# Altium PCB SpeakerEngine.PcbDoc (part 2 of 2)
Units mil, origin at the board's own origin, x right, y up, seen from the top; angles counter-clockwise.
Board outline 2955 x 2955 mil, 2 copper layers (Top Layer, Bottom Layer); 97 components, 71 nets, 369 pads, 247 vias.
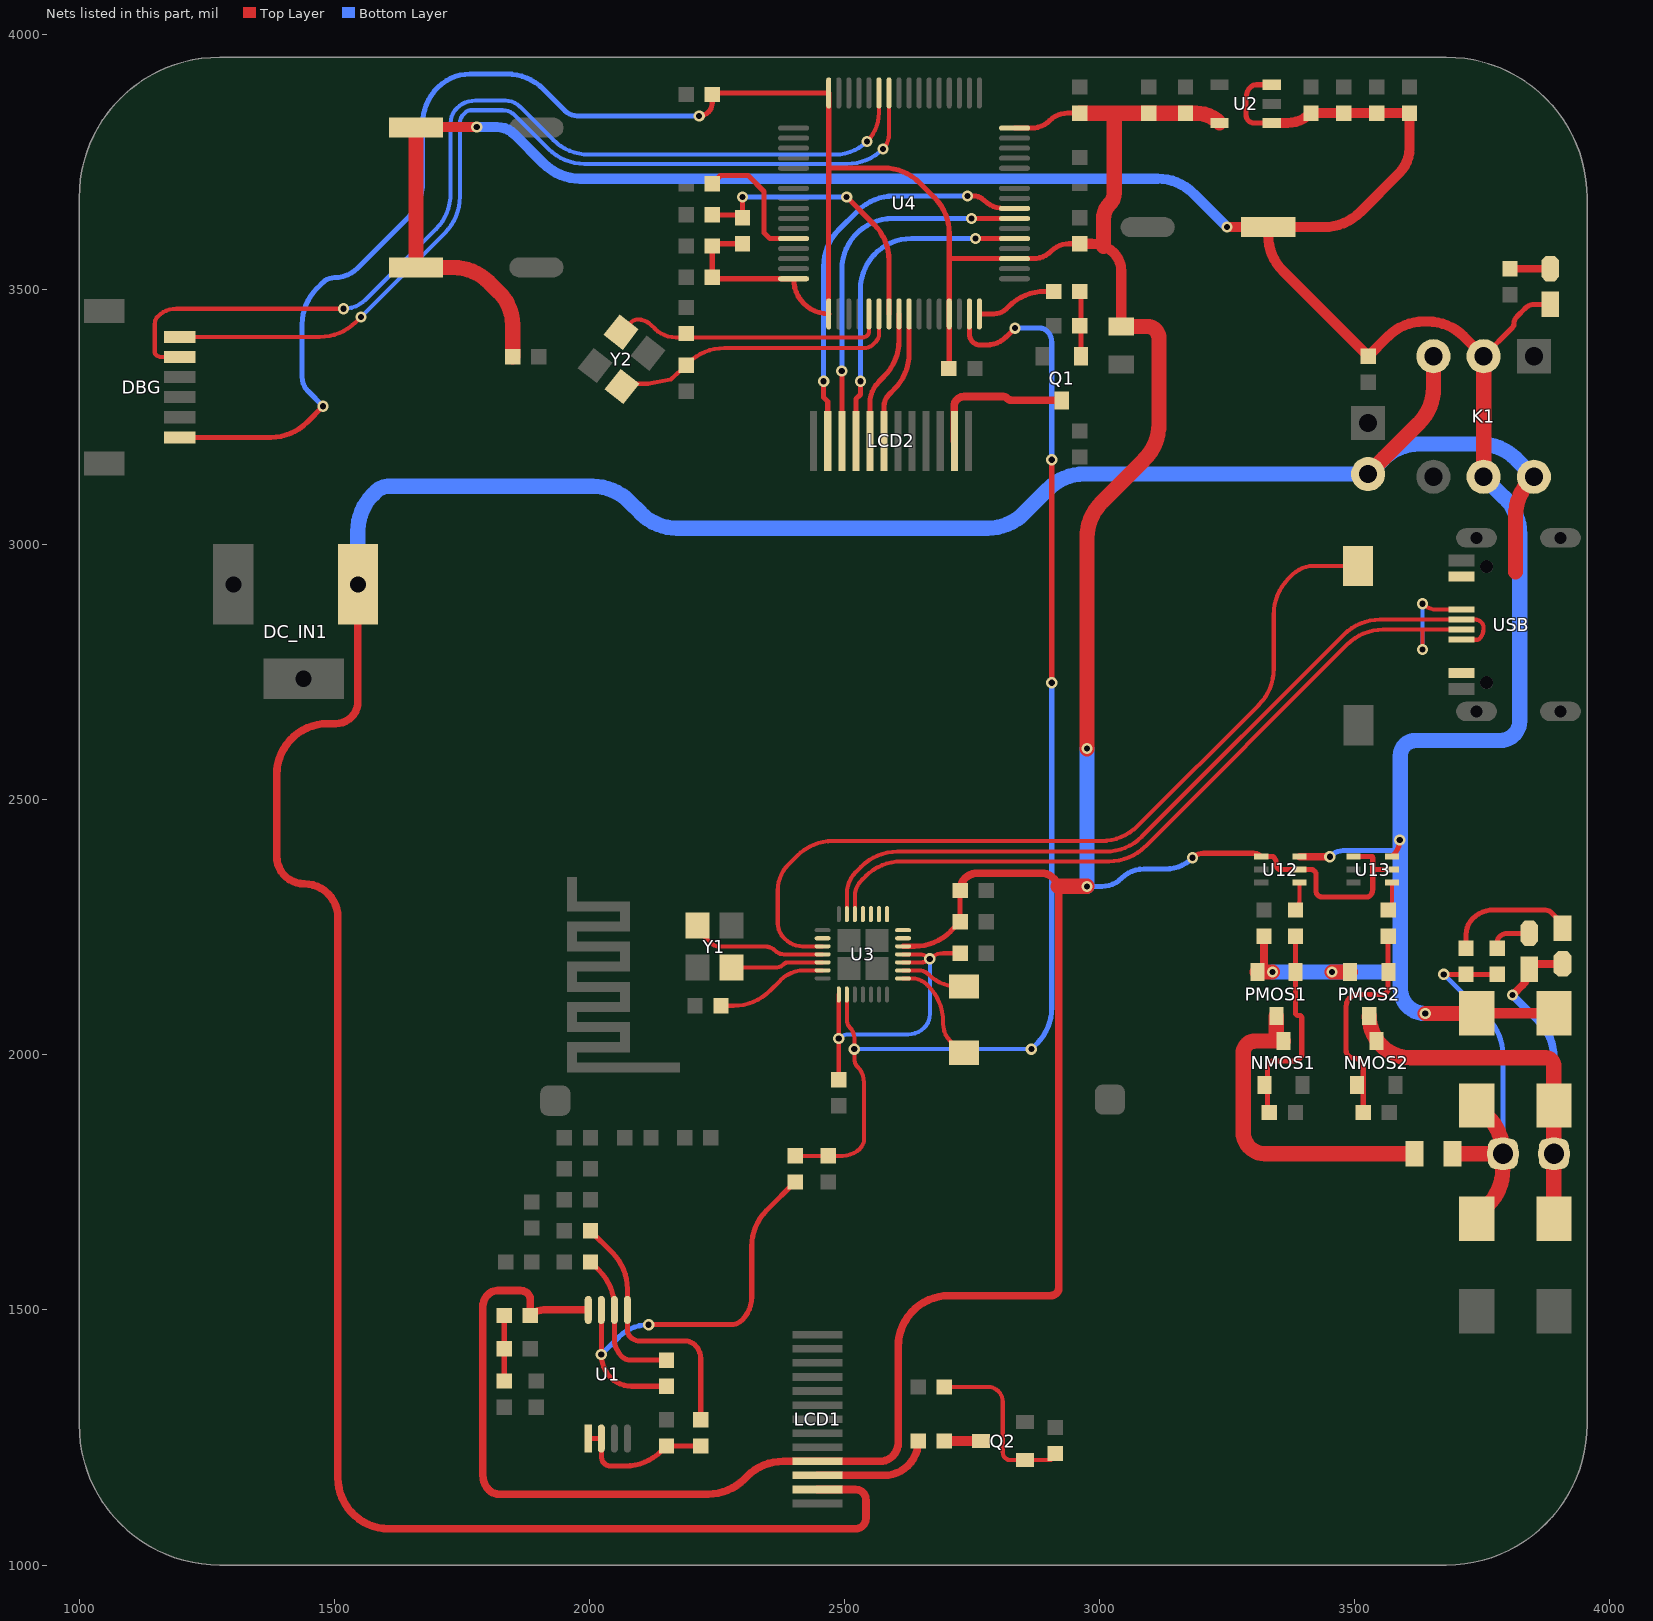
[diagram p2: the nets of this part, all layers, seen from the top]

## Via types
v1: diameter 22, hole 12, Top Layer to Bottom Layer, 133 vias
v2: diameter 30, hole 15, Top Layer to Bottom Layer, 96 vias
v3: diameter 20, hole 12, Top Layer to Bottom Layer, 16 vias
v4: diameter 62.99, hole 39.37, Top Layer to Bottom Layer, 2 vias

## Nets (pads, with @x,y where several pads share a name; then routed paths per layer and width w, separated by ;. In a path a pad name is that pad's centre, name@x,y a point inside that pad or via, vN(x,y) a via of type N, cw(c..) or ccw(c..) an arc to the next point about the centre after c; other vN are vias at no path point) (continued)
NetD2_1: D2.1 D5.2 R5.1 R18.1 R19.1 Speaker2.1 | length 857.5
  Top Layer w10: v1(3674.31,2157.59) R19.1@3718,2157.59 R18.1@3779,2157.59
  Top Layer w30: R5.1@3691.4,1806 v4(3790,1806) ; D5.2@3733,1677.55 3760.71,1705.26 ccw(c3690,1775.97) 3790,1775.97 v4(3790,1806) ; D2.1@3739,1900.45 3760.71,1878.74 cw(c3690,1808.03) 3790,1808.03 v4(3790,1806)
  Bottom Layer w10: v1(3674.31,2157.59) 3760.71,2071.19 cw(c3690,2000.48) 3790,2000.48 v4(3790,1806)
NetDBG_5: DBG.5 U4.43 | length 1938.3
  Top Layer w8: DBG.5@1197,3367.48 1160.91,3367.48 cw(c1160.91,3382.91) 1150,3372 cw(c1154.83,3376.83) 1148,3376.83 1148,3432.51 cw(c1168.49,3432.51) 1154,3447 cw(c1190.21,3410.79) 1190.21,3462 v1(1518,3462) ; v1(2544,3790) ccw(c2487.71,3846.29) 2567.32,3846.29 U4.43@2567.32,3885
  Bottom Layer w8: v1(1518,3462) ccw(c1518,3522.36) 1560.68,3479.68 1698.71,3617.71 ccw(c1628,3688.42) 1728,3688.42 1728,3826.03 cw(c1768.97,3826.03) 1740,3855 cw(c1776.21,3818.79) 1776.21,3870 1835.2,3870 cw(c1835.2,3829.44) 1863.88,3858.12 1928.71,3793.29 ccw(c1999.42,3864) 1999.42,3764 2481.23,3764 ccw(c2481.23,3852.77) v1(2544,3790)
NetDBG_6: DBG.6 U4.42 | length 1825.2
  Top Layer w8: DBG.6@1197,3406.85 1471.43,3406.85 ccw(c1471.43,3506.85) 1542.14,3436.14 v1(1552,3446) ; v1(2575,3775) ccw(c2546.03,3803.97) 2587,3803.97 U4.42@2587,3885
  Bottom Layer w8: v1(1552,3446) 1716.71,3610.71 ccw(c1646,3681.42) 1746,3681.42 1746,3825.93 cw(c1770.31,3825.93) 1753.11,3843.11 1757,3847 cw(c1766.66,3837.34) 1766.66,3851 1829.86,3851 cw(c1829.86,3816.86) 1854,3841 1919.71,3775.29 ccw(c1990.42,3846) 1990.42,3746 2504.99,3746 ccw(c2504.99,3845.01) v1(2575,3775)
NetLCD1_11: LCD1.11 R22.2 | length 235.9
  Top Layer w15: LCD1.11@2447,1175.65 2577.06,1175.65 ccw(c2577.06,1243) R22.2@2644.41,1243
NetLCD2_2: LCD2.2 Q1.3 | length 291.6
  Top Layer w15: LCD2.2@2715,3203 2715,3271.93 cw(c2732.07,3271.93) 2720,3284 cw(c2734.49,3269.51) 2734.49,3290 2810.76,3290 cw(c2810.76,3279.76) 2818,3287 ccw(c2829.14,3298.14) 2829.14,3282.39 Q1.3@2925.6,3282.39
NetLCD2_7: LCD2.7 U4.9 | length 234.9
  Top Layer w10: LCD2.7@2577.2,3203 2577.2,3270.35 cw(c2610.65,3270.35) 2587,3294 2597.08,3304.08 ccw(c2526.37,3374.79) 2626.37,3374.79 U4.9@2626.37,3423.31
NetLCD2_8: LCD2.8 U4.8 | length 265.7
  Top Layer w10: LCD2.8@2549.65,3203 2549.65,3276.59 cw(c2610.14,3276.59) 2567.36,3319.36 2577.4,3329.4 ccw(c2506.69,3400.11) 2606.69,3400.11 U4.8@2606.69,3451.96
NetLCD2_9: LCD2.9 U4.21 | length 659.4
  Top Layer w10: LCD2.9@2522.09,3203 2522.09,3285.09 2531,3294 v1(2531,3320) ; v1(2756.58,3599.58) U4.21@2833.05,3599.58
  Bottom Layer w10: v1(2531,3320) 2531,3499.58 cw(c2631,3499.58) 2631,3599.58 v1(2756.58,3599.58)
NetLCD2_10: LCD2.10 U4.23 | length 731.6
  Top Layer w10: LCD2.10@2494.53,3203 v1(2494.53,3340) ; v1(2748.79,3638.95) U4.23@2833.05,3638.95
  Bottom Layer w10: v1(2494.53,3340) 2494.53,3538.95 cw(c2594.53,3538.95) 2594.53,3638.95 v1(2748.79,3638.95)
NetLCD2_11: LCD2.11 U4.24 | length 799
  Top Layer w10: v1(2459,3320) 2459,3288 2466.97,3280.03 LCD2.11@2466.97,3203 ; v1(2741,3683) 2753,3683 cw(c2753,3654.03) 2773.47,3674.53 ; 2773.51,3674.49 ccw(c2811.82,3712.84) 2811.82,3658.64 U4.24@2833.05,3658.64
  Bottom Layer w10: v1(2459,3320) 2459,3545.58 cw(c2559,3545.58) 2488.29,3616.29 2525.71,3653.71 cw(c2596.42,3583) 2596.42,3683 v1(2741,3683)
NetLED1_2: LED1.2 R17.1 | length 79
  Top Layer w15: R17.1@3804,3540.59 LED1.2@3883.02,3540.59
NetLED2_2: LED2.2 R18.2 | length 83.9
  Top Layer w10: R18.2@3779,2208.77 3779,2219.94 cw(c3796.06,2219.94) 3784,2232 cw(c3798.47,2217.53) 3798.47,2238 LED2.2@3841.74,2238
NetLED3_1: LED3.1 R19.2 | length 260.6
  Top Layer w10: R19.2@3718,2208.77 3718,2235.62 cw(c3762.38,2235.62) 3731,2267 cw(c3772.04,2225.96) 3772.04,2284 3870.1,2284 cw(c3870.1,2260.1) 3887,2277 3901.07,2262.93 cw(c3886.13,2248) LED3.1@3907.26,2248
NetNMOS1_1: NMOS1.1 PMOS1.1 R2.1 R12.2 | length 411.1
  Top Layer w10: R2.1@3332.41,1887 cw(c3332.41,1890.4) 3329,1890.4 3329,1976 cw(c3341,1976) 3341,1988 3382,1988 ccw(c3382,2002) 3396,2002 3396,2072 ccw(c3391,2072) 3391,2077 3389,2077 cw(c3389,2082.37) 3383.63,2082.37 PMOS1.1@3383.63,2162.31 R12.2@3383.63,2232.41
NetNMOS2_1: NMOS2.1 PMOS2.1 R3.1 R13.2 | length 432.1
  Top Layer w10: R3.1@3516.41,1887 3516.41,1974.59 ccw(c3497,1974.59) 3497,1994 cw(c3497,2008) 3483,2008 3483,2095 cw(c3506,2095) 3506,2118 3553,2118 ccw(c3553,2130) 3565,2130 3565,2232.41 R13.2@3565.63,2232.41
NetQ1_1: Q1.1 R6.1 R7.2 | length 127.5
  Top Layer w10: R7.2@2961,3496 cw(c2956.18,3491.18) 2963,3491.18 Q1.1@2963,3369
NetQ2_1: Q2.1 R23.2 R24.1 | length 349.1
  Top Layer w8: R23.2@2695.59,1349 2781,1349 cw(c2781,1320) 2810,1320 2810,1221 ccw(c2825.4,1221) 2825.4,1205.6 Q2.1@2853.61,1205.6 2900.2,1205.6 ccw(c2900.2,1218.41) R24.1@2913,1218.41
NetQ2_3: Q2.3 R22.1 | length 71.4
  Top Layer w20: R22.1@2695.59,1243 Q2.3@2767,1243
NetR1_2: R1.2 R27.2 R28.1 | length 128.4
  Top Layer w10: R28.1@1833,1360.59 R27.2@1833,1489
NetR7_1: R7.1 U4.16 | length 158.1
  Top Layer w10: U4.16@2764.17,3451.96 2792.76,3451.96 ccw(c2792.76,3486.24) 2817,3462 2821.71,3466.71 cw(c2892.42,3396) 2892.42,3496 R7.1@2909.82,3496
NetR11_2: R11.2 U4.60 | length 264.6
  Top Layer w10: R11.2@2240.59,3707 2256.59,3723 2311,3723 2342,3692 2342,3611 2353.42,3599.58 U4.60@2400.01,3599.58
NetR12_1: R12.1 U12.4 | length 55.9
  Top Layer w8: R12.1@3383.63,2283.59 ccw(c3364.87,2302.36) 3391.4,2302.36 U12.4@3391.4,2337.41
NetR13_1: R13.1 U13.4 | length 55.6
  Top Layer w8: R13.1@3565.63,2283.59 ccw(c3549.28,2299.94) 3572.4,2299.94 U13.4@3572.4,2337.41
NetR14_2: R14.2 R20.2 U1.7 | length 857.2
  Top Layer w10: U1.7@2023.2,1499.98 v1(2023.2,1412.38) ccw(c2087.38,1412.38) 2042,1367 ccw(c2082.05,1407.05) 2082.05,1350.41 R20.2@2151,1350.41 ; v1(2116,1471) 2277.27,1471 ccw(c2277.27,1501.73) 2299,1480 ccw(c2253.13,1525.87) 2318,1525.87 2318,1624.4 cw(c2418,1624.4) 2347.29,1695.11 R14.2@2403,1750.82
  Bottom Layer w10: v1(2023.2,1412.38) 2057.67,1446.84 cw(c2116,1388.5) v1(2116,1471)
NetR16_2: R16.2 R25.2 U1.5 | length 515.7
  Top Layer w10: R25.2@2002,1654.85 2045.1,1611.76 cw(c1974.39,1541.05) 2074.39,1541.05 U1.5@2074.39,1499.98 2074.39,1460.55 ccw(c2093.55,1460.55) 2080,1447 ccw(c2099.31,1466.31) 2099.31,1439 2187.69,1439 cw(c2187.69,1411.69) 2207,1431 cw(c2180.44,1404.44) 2218,1404.44 R16.2@2218,1284.59
NetR20_1: R20.1 R21.2 U1.6 | length 293.8
  Top Layer w10: R21.2@2002,1594 2019.51,1576.49 cw(c1948.8,1505.78) 2048.8,1505.78 U1.6@2048.8,1499.98 2048.8,1443.29 ccw(c2097.29,1443.29) 2063,1409 ccw(c2080.88,1426.88) 2080.88,1401.59 R20.1@2151,1401.59
NRST: C25.2 R10.1 U4.7 | length 565.2
  Top Layer w10: C25.2@2240.59,3646 2294.59,3646 R10.1@2300,3640.59 v1(2300,3681) ; v1(2504.09,3681) 2557.71,3627.38 cw(c2487,3556.66) 2587,3556.66 U4.7@2587,3451.96
  Bottom Layer w10: v1(2300,3681) v1(2504.09,3681)
PA4: C10.2 R14.1 U3.23 U4.15 | length 2429.8
  Top Layer w8: R14.1@2403,1802 C10.2@2468,1802 2496.2,1802 ccw(c2496.2,1849.8) 2530,1816 ccw(c2510.69,1835.31) 2538,1835.31 2538,1945.62 ccw(c2493.62,1945.62) 2525,1977 cw(c2539.49,1991.49) 2519,1991.49 v1(2519,2011) 2519,2032.27 ccw(c2488.27,2032.27) 2510,2054 cw(c2523.67,2067.67) 2504.34,2067.67 U3.23@2504.34,2118.09
  Top Layer w10: U4.15@2744.48,3451.96 2744.48,3412.74 ccw(c2766.74,3412.74) 2751,3397 ccw(c2765.49,3411.49) 2765.49,3391 2778,3391 ccw(c2778,3446.53) 2817.26,3407.26 v1(2834,3424) ; v1(2906,2729.04) v1(2906,3166)
  Bottom Layer w8: v1(2519,2011) v1(2866,2011)
  Bottom Layer w10: v1(2834,3424) 2882.51,3424 cw(c2882.51,3403.51) 2897,3418 cw(c2875.27,3396.27) 2906,3396.27 v1(2906,3166) ; v1(2866,2011) 2876.71,2021.71 ccw(c2806,2092.42) 2906,2092.42 v1(2906,2729.04)
PA8: U3.6
PA9: U3.7
PA10: U3.2 Y3.1 | length 127.8
  Top Layer w8: U3.2@2614.57,2165.34 2644.87,2165.34 cw(c2644.87,2136.87) 2665,2157 ccw(c2720.62,2212.62) 2720.62,2133.96 Y3.1@2734,2133.96
PA11: U3.1 Y3.2 | length 209.6
  Top Layer w8: U3.1@2614.57,2149.59 2631.61,2149.59 cw(c2631.61,2106.61) 2662,2137 2663.71,2135.29 cw(c2593,2064.58) 2693,2064.58 2693,2060.8 ccw(c2740.8,2060.8) 2707,2027 2729.96,2004.04 Y3.2@2734,2004.04
PB10: U3.13 USB.5 USB.7 | length 1577.7
  Top Layer w8: U3.13@2504.34,2275.57 2504.34,2315.36 cw(c2564.64,2315.36) 2522,2358 2532.71,2368.71 cw(c2603.42,2298) 2603.42,2398 3011.58,2398 ccw(c3011.58,2498) 3082.29,2427.29 3478.47,2823.47 cw(c3549.19,2752.76) 3549.19,2852.76 USB.7@3709.1,2852.76 3736.91,2852.76 cw(c3736.91,2839.91) 3745.99,2849.01 3748.93,2846.07 cw(c3741.51,2838.66) 3752,2838.66 3752,2834.31 cw(c3724.69,2834.31) 3744,2815 cw(c3740.12,2818.88) 3740.12,2813.39 USB.5@3709.1,2813.39
PB11: U3.12 USB.6 USB.8 | length 1645.5
  Top Layer w8: U3.12@2520.09,2275.57 2520.09,2310.82 cw(c2564.18,2310.82) 2533,2342 2540.71,2349.71 cw(c2611.42,2279) 2611.42,2379 3018.58,2379 ccw(c3018.58,2479) 3089.29,2408.29 3484.79,2803.79 cw(c3555.5,2733.08) 3555.5,2833.08 3632.3,2833.08 ; v1(3632.3,2794) 3632.3,2833.08 ; v1(3632.3,2884) ccw(c3660.19,2911.89) 3660.19,2872.45 USB.8@3709.1,2872.45 ; USB.6@3709.1,2833.08 3632.3,2833.08
  Bottom Layer w8: v1(3632.3,2794) v1(3632.3,2884)
PB12: U3.11
PB13: U3.10
PB14: U3.9
PB15: U3.8
PB22: KEY1.2 U3.17 | length 1682.9
  Top Layer w8: U3.17@2457.09,2212.58 2417.81,2212.58 cw(c2417.81,2261.81) 2383,2227 2381.02,2228.98 cw(c2410.04,2258) 2369,2258 2369,2322.3 cw(c2440.7,2322.3) 2390,2373 2406.71,2389.71 cw(c2477.42,2319) 2477.42,2419 3003.58,2419 ccw(c3003.58,2519) 3074.29,2448.29 3311.71,2685.71 ccw(c3241,2756.42) 3341,2756.42 3341,2862.58 cw(c3441,2862.58) 3370.29,2933.29 3378,2941 cw(c3419.04,2899.96) 3419.04,2958 KEY1.2@3506,2958
PB23: U3.16
PH0: C24.1 U4.5 Y2.1 | length 546.5
  Top Layer w8: Y2.1@2062.08,3416.18 2081.18,3435.27 ; 2081.18,3435.28 cw(c2095,3421.45) 2095,3441 cw(c2095,3404.79) 2120.61,3430.39 2128,3423 ccw(c2169.04,3464.04) 2169.04,3406 2535.34,3406 ccw(c2535.34,3419.66) 2545,3410 ccw(c2538.65,3416.35) 2547.63,3416.35 U4.5@2547.63,3451.96
PH1: C23.1 U4.6 Y2.3 | length 580.5
  Top Layer w8: Y2.3@2063.92,3309.82 cw(c2076.42,3297.32) 2076.42,3315 2111.39,3315 ccw(c2111.39,3415) 2114.76,3315.06 2159.01,3323 2179.71,3341.98 ccw(c2111.39,3415) 2182.13,3344.32 C23.1@2189.41,3351.59 2193.52,3355.71 cw(c2264.23,3285) 2264.23,3385 2538,3385 ccw(c2538,3411.56) 2556.78,3392.78 2561,3397 ccw(c2545.75,3412.25) 2567.32,3412.25 U4.6@2567.32,3451.96
Speaker1: NMOS1.3 PMOS1.3 R5.2 | length 663.4
  Top Layer w30: PMOS1.3@3346.23,2075.69 3346.23,2040.77 ccw(c3360,2040.77) 3360,2027 3305,2027 ccw(c3305,2003) 3281,2003 3281,1849 ccw(c3324,1849) 3324,1806 R5.2@3616.6,1806
Speaker2: D1.1 D6.2 LED2.1 LED3.2 NMOS2.3 PMOS2.3 Speaker1.1 | length 1175.4
  Top Layer w15: v1(3809,2117) 3828.84,2136.84 ccw(c3797.68,2168) LED2.1@3841.74,2168 ; LED2.1@3851.74,2178 LED3.2@3907.26,2178
  Top Layer w30: PMOS2.3@3528.23,2075.69 ccw(c3609.92,2075.69) 3609.92,1994 3874,1994 cw(c3874,1978) 3890,1978 D1.1@3890,1900.45 v4(3890,1806) D6.2@3890,1678.55
  Bottom Layer w15: v1(3809,2117) 3860.71,2065.29 cw(c3790,1994.58) 3890,1994.58 v4(3890,1806)
USB: DC_IN1.1 J1.2 K1.3 K1.6 LCD1.12 USB.2 USB.11 | length 6207.7
  Top Layer w15: DC_IN1.1@1546.09,2922 1546.09,2692.09 cw(c1503,2692.09) 1503,2649 1487,2649 ccw(c1487,2549) 1387,2549 1387,2389 ccw(c1441,2389) 1441,2335 cw(c1441,2269) 1507,2269 1507,1171 ccw(c1607,1171) 1607,1071 2521,1071 ccw(c2521,1092) 2542,1092 2542,1127 ccw(c2520.91,1127) 2520.91,1148.09 LCD1.12@2447,1148.09
  Top Layer w30: J1.2@3526,3138 3624.71,3236.71 ccw(c3554,3307.42) 3654,3307.42 K1.3@3654,3369 ; 3815,2946 3815,3055.51 cw(c3915,3055.51) 3844.29,3126.22 K1.6@3850.85,3132.78
  Bottom Layer w30: DC_IN1.1@1546.09,2922 1546.09,3026.67 cw(c1646.09,3026.67) 1575.38,3097.38 1583,3105 cw(c1604.73,3083.27) 1604.73,3114 2006.58,3114 cw(c2006.58,3014) 2077.29,3084.71 2100.71,3061.29 ccw(c2171.42,3132) 2171.42,3032 2780.58,3032 ccw(c2780.58,3132) 2851.29,3061.29 2898.71,3108.71 cw(c2969.42,3038) 2969.42,3138 J1.2@3526,3138 3555.71,3167.71 cw(c3626.42,3097) 3626.42,3197 3745.21,3197 cw(c3745.21,3097) 3783.01,3189.58 cw(c3745.21,3097) 3815.92,3167.71 K1.6@3850.85,3132.78
VCC3.3: C7.1 C17.1 C21.1 C26.1 C27.1 C28.1 C29.1 C30.1 C31.1 C33.1 DBG.1 LCD1.10 R4.1 R10.2 R27.1 U1.8 U2.5 U3.5 U4.1 U4.13 U4.19 U4.32 U4.48 U4.64 U12.1 U12.5 U13.1 U13.5 | length 9749.4
  Top Layer w10: DBG.1@1197,3210 1375.58,3210 ccw(c1375.58,3310) 1446.29,3239.29 v1(1478,3271) ; v1(2215,3840) ccw(c2215,3865.59) 2240.59,3865.59 C26.1@2240.59,3882 2243.58,3885 U4.48@2468.89,3885 2468.89,3738 ; R10.2@2300,3589.41 2245,3589.41 C27.1@2240.59,3585 C28.1@2240.59,3524 2243.75,3520.84 U4.64@2400.01,3520.84 ccw(c2468.89,3520.84) U4.1@2468.65,3451.96 ; U4.1@2468.89,3451.96 cw(c2468.89,3520.84) U4.1@2468.65,3451.96 ; U3.5@2614.57,2212.58 2637.07,2212.58 ccw(c2637.07,2312.58) 2707.78,2241.87 C21.1@2726.41,2260.5 C33.1@2726.41,2322 ; C29.1@2704.41,3345 ccw(c2702.71,3346.7) 2705.11,3346.7 U4.13@2705.11,3451.96 2705.11,3561 ; U4.32@2833.05,3816.12 2866.41,3816.12 ccw(c2866.41,3866.12) 2901.76,3830.76 ; 2901.79,3830.79 cw(c2937.12,3795.41) 2937.12,3845.41 C31.1@2961,3845.41 ; C30.1@2961,3589.41 2940.05,3589.41 ccw(c2940.05,3539.57) 2904.81,3574.81 cw(c2869.57,3610.05) 2869.57,3560.21 U4.19@2833.05,3560.21 2705.9,3560.21 2705.11,3561 ; v1(3182,2386) cw(c3203.73,2364.27) 3203.73,2395 3301.12,2395 cw(c3301.12,2373.12) U12.1@3316.6,2388.59 3337.16,2388.59 cw(c3337.16,2383.16) 3341,2387 3341.05,2386.95 cw(c3329.1,2375) 3346,2375 3346,2372.24 ccw(c3356.24,2372.24) 3349,2365 ccw(c3353.83,2369.83) 3353.83,2363 U12.5@3391.4,2363 3413.76,2363 cw(c3413.76,2352.76) 3421,2360 cw(c3413.76,2352.76) 3424,2352.76 3424,2320.24 ccw(c3434.24,2320.24) 3427,2313 ccw(c3436.66,2322.66) 3436.66,2309 3522.76,2309 ccw(c3522.76,2319.24) 3530,2312 ccw(c3517.93,2324.07) 3535,2324.07 3535,2363 ; U13.1@3497.6,2388.59 3533.58,2388.59 cw(c3530.14,2385.15) 3535,2385.15 3535,2363 ; U13.5@3572.4,2363 3535,2363 ; U4.1@2468.65,3451.96 2468.65,3590.35 2468.65,3708.65 2468.89,3708.89 2468.89,3738 ; 2468.89,3738 2576.58,3738 cw(c2576.58,3638) 2647.29,3708.71 2675.82,3680.18 cw(c2605.11,3609.47) 2705.11,3609.47 2705.11,3561
  Top Layer w15: U1.8@1997.61,1499.98 1910.7,1499.98 ccw(c1910.7,1462.48) R27.1@1884.18,1489 1884.18,1519.5 ccw(c1866.5,1519.5) 1879,1532 ccw(c1864.51,1517.51) 1864.51,1538 1820.31,1538 ccw(c1820.31,1510.69) 1801,1530 ccw(c1825.14,1505.86) 1791,1505.86 1791,1175.97 ccw(c1831.97,1175.97) 1803,1147 ccw(c1822.31,1166.31) 1822.31,1139 2232.58,1139 ccw(c2232.58,1239) 2303.29,1168.29 2308.92,1173.92 cw(c2379.63,1103.21) 2379.63,1203.21 LCD1.10@2447,1203.21 2569.21,1203.21 ccw(c2569.21,1239) 2605,1239 2605,1428 cw(c2705,1428) 2705,1528 2904,1528 ccw(c2904,1544) 2920,1544 2920,2321 ccw(c2885,2321) 2918.77,2330.21 ccw(c2885,2321) 2885,2356 2760.41,2356 ccw(c2760.41,2322) C33.1@2726.41,2322
  Top Layer w20: C30.1@2961,3589.41 2983.56,3589.41 cw(c2983.56,3526.56) 3007.31,3584.75 cw(c2983.56,3526.56) 3028,3571 cw(c2994.21,3537.21) 3042,3537.21 R4.1@3042,3427.4
  Top Layer w30: 2918.77,2330.21 2918.98,2330 v1(2975,2330) ; C31.1@2961,3845.41 3028.5,3845.41 ; v1(2975,2600) 2975,3012.58 cw(c3075,3012.58) 3004.29,3083.29 3086.71,3165.71 ccw(c3016,3236.42) 3116,3236.42 3116,3404.1 ccw(c3092.1,3404.1) 3109,3421 ccw(c3093.54,3405.54) 3093.54,3427.4 R4.1@3042,3427.4 ; 3007.31,3584.75 3007.31,3637.35 cw(c3050.65,3637.35) 3020,3668 ccw(c2999.47,3688.53) 3028.5,3688.53 3028.5,3845.41 ; U2.5@3234.82,3826.22 ccw(c3188.5,3779.9) 3188.5,3845.41 C7.1@3168,3845.41 C17.1@3096,3845.41 3028.5,3845.41
  Bottom Layer w10: v1(1478,3271) 1448.31,3300.69 cw(c1475.63,3328) 1437,3328 1437,3431.58 cw(c1537,3431.58) 1466.29,3502.29 1477.81,3513.81 cw(c1500,3491.62) 1500,3523 ccw(c1500,3588.18) 1546.09,3542.09 1643.71,3639.71 ccw(c1573,3710.42) 1673,3710.42 1673,3824.58 cw(c1773,3824.58) 1702.29,3895.29 1703,3896 cw(c1765.77,3833.23) 1765.77,3922 1838.58,3922 cw(c1838.58,3822) 1909.29,3892.71 1952,3850 ccw(c1976.14,3874.14) 1976.14,3840 v1(2215,3840) ; v1(2975,2330) 3004.37,2330 ccw(c3004.37,2384.63) 3043,2346 cw(c3086.46,2302.54) 3086.46,2364 3128.89,2364 ccw(c3128.89,2439.11) v1(3182,2386)
  Bottom Layer w30: v1(2975,2330) v1(2975,2600)
VCCREF: C2.2 R16.1 U1.1 U1.2 | length 278.5
  Top Layer w10: U1.1@1997.61,1248.02 U1.2@2023.2,1248.02 2023.2,1212.99 ccw(c2042.99,1212.99) 2029,1199 ccw(c2041.07,1211.07) 2041.07,1194 2070.17,1194 ccw(c2070.17,1294) 2140.88,1223.29 C2.2@2151,1233.41 R16.1@2218,1233.41
VDCIA: C18.1 C22.1 U3.3 U3.4 U3.22 | length 649.3
  Top Layer w8: C22.1@2488.59,1951.18 v1(2488.59,2032) U3.22@2488.59,2118.09 ; U3.3@2614.57,2181.09 2650.31,2181.09 ccw(c2650.31,2204.69) v1(2667,2188) ; U3.4@2614.57,2196.83 2645.67,2196.83 cw(c2645.67,2166.67) v1(2667,2188) ; C18.1@2726.41,2199 2693.55,2199 ccw(c2693.55,2161.45) v1(2667,2188)
  Bottom Layer w8: v1(2488.59,2032) cw(c2507.9,2012.69) 2507.9,2040 2624.62,2040 ccw(c2624.62,2084.38) 2656,2053 ccw(c2629.44,2079.56) 2667,2079.56 v1(2667,2188)
VINTA: C20.1 U3.20 | length 220.8
  Top Layer w8: C20.1@2257.83,2096 2282.58,2096 ccw(c2282.58,2196) 2353.29,2125.29 2374,2146 cw(c2420.69,2099.31) 2420.69,2165.34 U3.20@2457.09,2165.34
VUSB: C3.2 C4.2 C5.2 C6.1 C8.1 C11.2 C12.1 C13.1 C15.1 C16.1 D1.2 D2.2 K1.2 K1.5 LED1.1 PMOS1.2 PMOS2.2 U2.1 U2.3 U12.6 U13.6 | length 6398.3
  Top Layer w10: U2.1@3337.18,3826.22 3302.54,3826.22 cw(c3302.54,3842.54) 3291,3831 cw(c3300.66,3840.66) 3287,3840.66 3287,3876.69 cw(c3314.31,3876.69) 3295,3896 cw(c3307.13,3883.87) 3307.13,3901.02 U2.3@3337.18,3901.02 ; U12.6@3391.4,2388.59 ccw(c3392.54,2389.73) U12.6@3392.54,2388.12 ; U13.6@3572.4,2388.59 3576.11,2392.3 ccw(c3547.41,2421) v1(3588,2421) ; K1.2@3752.43,3369 3808.88,3425.45 ccw(c3801.32,3433) 3812,3433 cw(c3831.31,3433) 3817.66,3446.66 3834,3463 cw(c3852.33,3444.67) 3852.33,3470.59 LED1.1@3883.02,3470.59
  Top Layer w15: PMOS1.2@3308.83,2162.31 ccw(c3308.83,2175.48) 3322,2175.48 C4.2@3322,2227.41 ; C4.2@3319.29,2230.12 C4.2@3322,2227.41 ; C4.2@3322,2232.41 C4.2@3322,2227.41 ; U12.6@3392.54,2388.12 v1(3450.99,2388.12)
  Top Layer w20: C13.1@1659.89,3817 cw(c1662.3,3814.59) 1662.3,3818 v1(1779,3818) ; v1(3249.66,3622) C6.1@3330.11,3622 ; U2.1@3337.18,3826.22 3367.69,3826.22 ccw(c3367.69,3891.72) C16.1@3414,3845.41 C15.1@3478.34,3845.41 C8.1@3542.67,3845.41 C3.2@3607,3845.41 3607,3776.28 cw(c3538.72,3776.28) 3587,3728 3510.29,3651.29 cw(c3439.58,3722) 3439.58,3622 C6.1@3330.11,3622 ; D2.2@3739,2081.55 D1.2@3890,2081.55 ; K1.2@3752.43,3369 3713.71,3407.71 ccw(c3643,3337) 3643,3437 3635.42,3437 ccw(c3635.42,3337) 3564.71,3407.71 C5.2@3526,3369 3359.4,3535.6 cw(c3430.11,3606.31) 3330.11,3606.31 C6.1@3330.11,3622
  Top Layer w30: C13.1@1659.89,3817 C12.1@1659.89,3543 1732.58,3543 cw(c1732.58,3443) 1803.29,3513.71 1823,3494 cw(c1759.23,3430.23) 1849.41,3430.23 C11.2@1849.41,3368 ; PMOS1.2@3308.83,2162.31 v1(3338.44,2162.31) ; v1(3455.31,2162.31) PMOS2.2@3490.83,2162.31 ; v1(3638,2081) 3739,2081 D2.2@3739,2081.55 ; K1.5@3751.47,3130.47 ccw(c3749.16,3132.78) K1.5@3752.43,3132.78 K1.2@3752.43,3369
  Bottom Layer w10: v1(3450.99,2388.12) 3452.66,2389.79 cw(c3477.31,2365.14) 3477.31,2400 3589,2400
  Bottom Layer w20: v1(1779,3818) 1818.93,3818 cw(c1818.93,3769.54) 1853.19,3803.81 1910.71,3746.29 ccw(c1981.42,3817) 1981.42,3717 2044,3717 3113.24,3717 cw(c3113.24,3617) 3183.95,3687.71 v1(3249.66,3622)
  Bottom Layer w30: v1(3338.44,2162.31) v1(3455.31,2162.31) 3589,2162.31 ; v1(3638,2081) cw(c3638,2130) 3589,2130 3589,2162.31 ; K1.5@3752.43,3132.78 3793.71,3091.49 cw(c3723,3020.78) 3823,3020.78 3823,2654 cw(c3785,2654) 3785,2616 3619,2616 ccw(c3619,2586) 3589,2586 3589,2400 3589,2162.31
X32MI: U3.19 Y1.3 | length 181.4
  Top Layer w8: Y1.3@2278.46,2170.66 2364.7,2170.66 ccw(c2364.7,2192.3) 2380,2177 cw(c2389.86,2167.14) 2389.86,2181.09 U3.19@2457.09,2181.09
X32MO: U3.18 Y1.1 | length 269.5
  Top Layer w8: Y1.1@2211.54,2253.34 ccw(c2230.54,2253.34) 2217.1,2239.9 2238,2219 ccw(c2254.9,2235.9) 2254.9,2212 2344.69,2212 cw(c2344.69,2184.69) 2364,2204 ccw(c2381.3,2221.3) 2381.3,2196.83 U3.18@2457.09,2196.83
pads on no net: ANT.7 ANT.8 ANT.9 ANT.10 ANT.11 ANT.12 ANT.13 ANT.14 ANT.15 ANT.16 ANT.17 ANT.18 ANT.19 ANT.20 ANT.21 ANT.22 ANT.23 DBG.0 K1.1 K1.4 LCD1.1 LCD1.2 LCD1.9 U2.4 U4.2 U4.3 U4.4 U4.10 U4.11 U4.14 U4.17 U4.20 U4.22 U4.25 U4.26 U4.27 U4.28 U4.29 U4.33 U4.34 U4.35 U4.36 U4.39 U4.40 U4.41 U4.44 U4.45 U4.50 U4.51 U4.52 U4.53 U4.54 U4.55 U4.56 U4.57 U4.58 U4.59 U4.61 U4.62 USB. USB.SH1 USB.SH2 USB.SH3 USB.SH4
copper on no net:
  other v2: 1742,1977.59 1742,2015.18 1742,2052.78 1742,2090.37 1742,2127.96 1742,2165.55 1742,2203.15 1742,2240.74 1063.5,2407 1099.21,2407 1134.93,2407 1170.64,2407 1206.36,2407 1242.07,2407 1277.79,2407 1313.5,2407 3641.5,2407 3677.21,2407 3712.93,2407 3748.64,2407 3784.36,2407 3820.07,2407 3855.78,2407 3891.5,2407 1063.5,2548 1099.21,2548 1134.93,2548 1170.64,2548 1206.36,2548 1242.07,2548 1277.79,2548 1313.5,2548 3641.5,2548 3677.21,2548 3712.93,2548 3748.64,2548 3784.36,2548 3820.07,2548 3855.78,2548 3891.5,2548 1742,2714.26 1883,2714.26 3072,2714.26 3213,2714.26 1742,2751.85 1883,2751.85 3072,2751.85 3213,2751.85 1742,2789.44 1883,2789.44 3072,2789.44 3213,2789.44 1742,2827.04 1883,2827.04 3072,2827.04 3213,2827.04 1742,2864.63 1883,2864.63 3072,2864.63 3213,2864.63 1742,2902.22 1883,2902.22 3072,2902.22 3213,2902.22 1742,2939.81 1883,2939.81 3072,2939.81 3213,2939.81 1742,2977.41 1883,2977.41 3072,2977.41 3213,2977.41

## Polygon pours and split planes (outlines as drawn)
GND on Top Layer "NONET_L-01_P-001" (solid, remove dead copper, pour order 3): 2258,1871 1784,1871 ccw(c1784,1837) 1750,1837 1750,1222 ccw(c1823,1222) 1823,1149 2248,1149 ccw(c2248,1193) 2292,1193 2292,1837 ccw(c2258,1837)
USB on Top Layer "Top Layer-No Net" (solid, remove dead copper, pour order 0): 3684,2733 3739,2733 3830,2824 3830,2972 3800,2972 3780,2952 3684,2952 3679,2947 3679,2788 3679,2738
GND on Bottom Layer "GND_L02_P001" (solid, remove dead copper, pour order 1): 1000,1275.59 1000,3679.41 cw(c1275.59,3679.41) 1275.59,3955 3679.41,3955 cw(c3679.41,3679.41) 3955,3679.41 3955,1275.59 cw(c3679.41,1275.59) 3679.41,1000 1275.59,1000 cw(c1275.59,1275.59)

## Other copper
Top Layer:
  region: 1334,2510 1334,2586 1043,2586 1043,2510
  region: 1334,2369 1334,2445 1043,2445 1043,2369
  region: 3912,2369 3912,2445 3621,2445 3621,2369
  region: 3912,2510 3912,2586 3621,2586 3621,2510
  rectangle net GND: 3034,1925 3110,2293.33
  rectangle net GND: 3175,1925 3251,2293.33
  rectangle: 3175,2661.67 3251,3030
  rectangle: 3034,2661.67 3110,3030
  rectangle net NetC9_2: 1845,1925 1921,2293.33
  rectangle: 1704,1925 1780,2293.33
  rectangle: 1704,2661.67 1780,3030
  rectangle: 1845,2661.67 1921,3030
Bottom Layer:
  region: 1334,2510 1334,2586 1043,2586 1043,2510
  region: 1334,2369 1334,2445 1043,2445 1043,2369
  region: 3912,2369 3912,2445 3621,2445 3621,2369
  region: 3912,2510 3912,2586 3621,2586 3621,2510
  rectangle net GND: 3034,1925 3110,2293.33
  rectangle net GND: 3175,1925 3251,2293.33
  rectangle: 3175,2661.67 3251,3030
  rectangle: 3034,2661.67 3110,3030
  rectangle net NetC9_2: 1845,1925 1921,2293.33
  rectangle: 1704,1925 1780,2293.33
  rectangle: 1704,2661.67 1780,3030
  rectangle: 1845,2661.67 1921,3030
  pour cut-out: 2758.33,3683 cw(c2742.71,3667.38) 2764.8,3667.38 2764.8,3645.59
  pour cut-out: 1925,1961 ccw(c1960,1961) 1960,1926 2086.99,1926 ccw(c2086.99,1959.01) 2120,1959.01 2120,2375 ccw(c2101,2375) 2101,2394 1946,2394 ccw(c1946,2373) 1925,2373

## Silkscreen, mask and mechanical layers (free items; w line width, h text height)
Top Overlay:
  text "USART" at 1253,3373.61 h60
  text "GND" at 1253,3326.86 h60
  text "TCK" at 1253.06,3280.11 h60
  text "TMS" at 1253.06,3233.36 h60
  text "VCC" at 1253,3186.61 h60
  text "Mymymind" at 1984,2573 h350
  text "SpeakerEngine" at 1076,2349 h300 r270
  text "V1.5" at 2955,1608.91 h200
  text "11.15" at 2884.09,1595 h200 r90
  text "2022" at 2749.45,1572 h200 r90
Top Solder:
  region: 1334,2510 1334,2586 1043,2586 1043,2510
  region: 1334,2369 1334,2445 1043,2445 1043,2369
  region: 3912,2369 3912,2445 3621,2445 3621,2369
  region: 3912,2510 3912,2586 3621,2586 3621,2510
  rectangle: 3034,1925 3110,2293.33
  rectangle: 3175,1925 3251,2293.33
  rectangle: 3175,2661.67 3251,3030
  rectangle: 3034,2661.67 3110,3030
  rectangle: 1845,1925 1921,2293.33
  rectangle: 1704,1925 1780,2293.33
  rectangle: 1704,2661.67 1780,3030
  rectangle: 1845,2661.67 1921,3030
Bottom Solder:
  region: 1334,2510 1334,2586 1043,2586 1043,2510
  region: 1334,2369 1334,2445 1043,2445 1043,2369
  region: 3912,2369 3912,2445 3621,2445 3621,2369
  region: 3912,2510 3912,2586 3621,2586 3621,2510
  rectangle: 3034,1925 3110,2293.33
  rectangle: 3175,1925 3251,2293.33
  rectangle: 3175,2661.67 3251,3030
  rectangle: 3034,2661.67 3110,3030
  rectangle: 1845,1925 1921,2293.33
  rectangle: 1704,1925 1780,2293.33
  rectangle: 1704,2661.67 1780,3030
  rectangle: 1845,2661.67 1921,3030
Mechanical 1:
  circle w10: c1404.67,1404.67 r59.25
  circle w10: c3550.33,1404.67 r59.25
  circle w10: c3550.33,3550.33 r59.25
  circle w10: c1404.67,3550.33 r59.25
  circle w10: c3470.61,2477.5 r59.25
  circle w10: c1484.39,2477.5 r59.25
  circle w10: c1611.36,1611.36 r59.25
  circle w10: c3343.64,1611.36 r59.25
  circle w10: c3343.64,3343.64 r59.25
  circle w10: c1611.36,3343.64 r59.25
  circle w10: c1262.93,1262.93 r59.25
  circle w10: c3692.07,1262.93 r59.25
  circle w10: c3692.07,3692.07 r59.25
  circle w10: c1262.93,3692.07 r59.25
  lines w5: 1000,1275.59 ccw(c1275.59,1275.59) 1275.59,1000 3679.41,1000 ccw(c3679.41,1275.59) 3955,1275.59 3955,3679.41 ccw(c3679.41,3679.41) 3679.41,3955 1275.59,3955 ccw(c1275.59,3679.41) 1000,3679.41 1000,1275.59 ; 1043,2445 1334,2445 1334,2510 1043,2510 1043,2445 ; 1780,1925 1780,2293.33 1845,2293.33 1845,1925 1780,1925 ; 1780,2661.67 1780,3030 1845,3030 1845,2661.67 1780,2661.67 ; 2293.33,2445.5 2661.67,2445.5 2661.67,2509.5 2293.33,2509.5 2293.33,2445.5 ; 3110,1925 3110,2293.33 3175,2293.33 3175,1925 3110,1925 ; 3110,2661.67 3110,3030 3175,3030 3175,2661.67 3110,2661.67 ; 3621,2445 3621,2510 3912,2510 3912,2445 3621,2445

## Dimensions
1000,1275.59 to 3955,1275.59 on Mechanical 1
1275.59,1000 to 1275.59,3955 on Mechanical 1

## Text inside footprints (layer, text, board x,y; h text height)
LCD2: Top Overlay "1" at 2773.07,3234.5 h35; Top Overlay "12" at 2366.58,3234.5 h35